# KiCad board panel_3_3.kicad_pcb (continued)
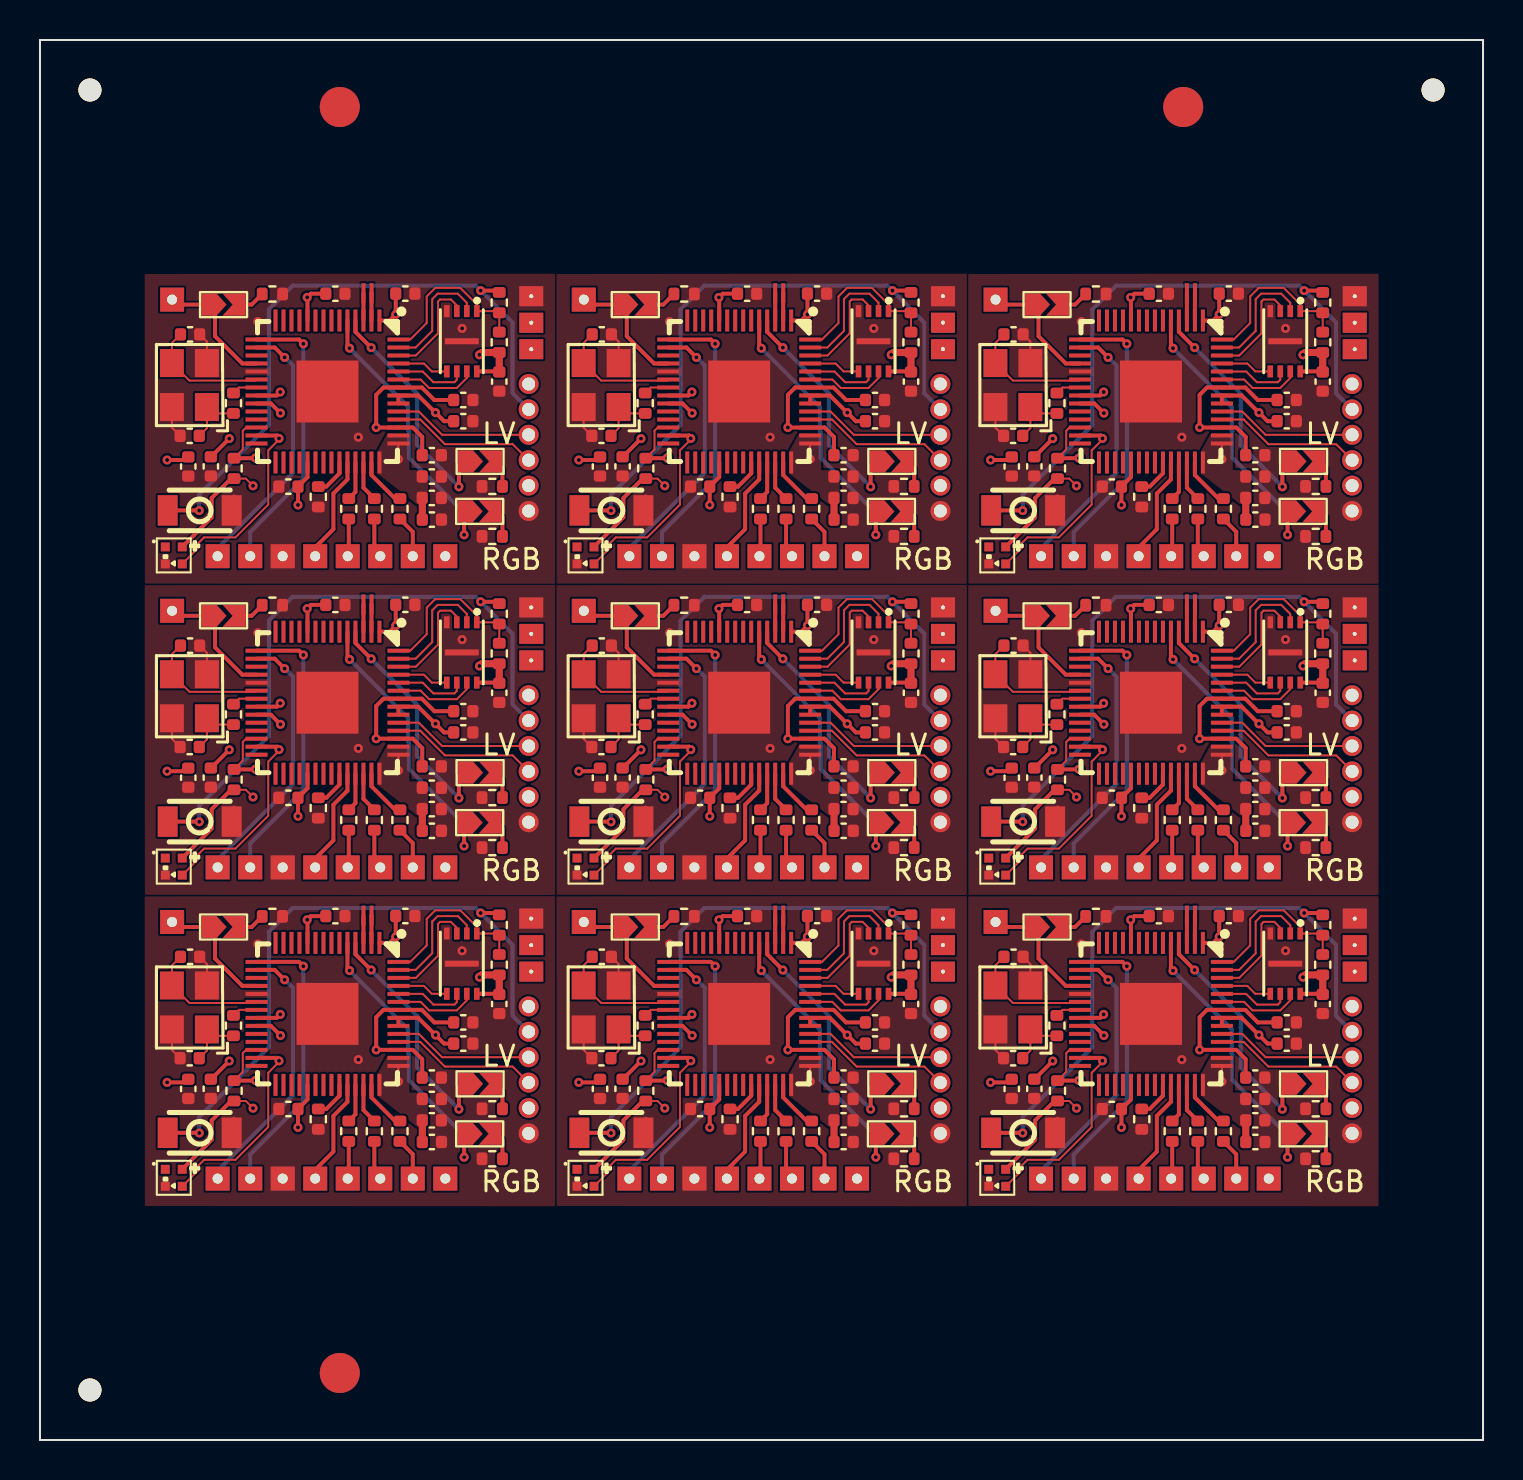
[diagram p0: board, top side]
## Routing (per net, layer and track width the routed paths; a pad name or vN(x,y) marks a point on that pad's centre or on a via; arc(x,y) is an arc through that point) (continued)
Board_3-QSPI_SD3: length 4.1
  Top w0.1: U2#9.7 21.35,37.54 20.86,37.04 19.47,37.04 19.04,37.47 U1#8.51
Board_3-RST: length 18.6
  Top w0.1: 10.83,35.06 10.31,35.06 10.15,34.9 10.15,33.97 R2#3.2
  Top w0.2: v1(10.78,33.54) 10.77,33.53 R2#3.2
  In1.Cu w0.2: v1(10.78,33.54) 17.02,33.54 17.88,34.4 21.69,34.4 24.45,37.16 J8#7.1
Board_3-SW_CPU_LOWV: length 11.8
  Top w0.2: U1#8.4 15.78,39.84 v1(16.57,39.06) ; JP2#8.1 20.96,33.16 v1(20.96,32.1)
  Bottom w0.2: v1(20.96,32.1) 18.87,34.19 18.87,36.76 v1(16.57,39.06)
Board_3-SW_I2C_LEDS: length 14.3
  Top w0.2: JP3#5.1 21.22,30.8 v1(21.22,29.7) ; v1(15.49,39.03) 15.38,39.13 U1#8.5
  Bottom w0.2: v1(15.49,39.03) 18.42,36.1 18.42,34.9 18.46,34.86 18.46,33.55 21.22,30.79 v1(21.22,29.7)
Board_3-XIN: length 6.2
  Top w0.1: C3.1 6.6,39.29 X1#8.3 7.48,37.41 10.78,37.41 U1#8.20
Board_3-XOUT: length 1.3
  Top w0.1: R1#2.2 9.95,37.06 10.83,37.06
Board_4-+1V1: length 20.2
  Top w0.2: 31.44,36.27 32.15,36.27 v1(32.63,35.78) ; C5#9.1 39.72,34.59 39.25,35.06 v1(37.42,35.06) 37.42,36.7 37.78,37.06 39.71,37.06 40.33,36.44 C2#7.1 ; C4#6.1 29.16,33.6 v1(30.07,34.51)
  In1.Cu w0.2: v1(30.07,34.51) 31.34,35.78 v1(32.63,35.78)
  In2.Cu w0.358: v1(32.63,35.78) 32.63,35.78 36.7,35.78 v1(37.42,35.06)
Board_4-+3V3: length 23.3
  Top w0.1: R2#7.1 30.9,32.51 v1(31.26,32.15) ; v1(38.53,33.48) U1.43
  Top w0.2: U5#9.2 27.72,29.1 29.19,30.57 29.19,31.54 30.16,32.51 R2#7.1 ; v1(26.96,33.44) 27.86,33.44 C13#8.1 ; U1.33 33.98,32.59 C7#9.1 v1(33.51,31.19) ; C10#7.1 40.82,35.38 v1(40.39,35.81) 40.38,35.81 39.53,36.66 U1.49 U1.48 ; C12#6.1 34.16,41.76 v1(33.97,41.57) 33.98,41.55 U1.10 ; v1(32.62,36.84) 32.44,36.66 31.44,36.66 ; 43.63,37.87 U2#7.8 ; C11#5.1 v1(38.4,40.72) 38.09,40.41 U1.1
  Top w0.358: C8#6.1 39.73,31.54 C9.1 ; C14#6.1 R6#4.1 42.7,38.81 v1(42.59,38.7)
Board_4-BOARD_DET: length 1.9
  Top w0.2: R3#2.1 34.92,32.11 35.59,32.77 U1.37
Board_4-BOOT: length 32.2
  Top w0.2: SW1.1 28.56,30.92 v1(28.57,30.91) ; R5#9.1 43.49,41.91 v1(42.65,41.91)
  Bottom w0.2: v1(28.57,30.91) 28.57,31.71 32.05,35.19 32.05,40.97 33.24,42.16 42.4,42.16 v1(42.65,41.91) 44.24,40.32 44.24,36.78 J8#8.2
Board_4-D+: length 7
  Top w0.1: J8#8.3 40.72,34.7 39.56,35.87 U1.47
Board_4-D-: length 7.4
  Top w0.1: J8#8.4 44.25,34.23 40.86,34.23 39.62,35.47 U1.46
Board_4-FLY_IO0: length 1.4
  Top w0.2: U1.2 37.19,41.77 J14#7.1
Board_4-FLY_IO1: length 1.4
  Top w0.2: U1.3 J15#9.1
Board_4-GND: length 3.2
  Top w0.1: C3#3.2 28.95,39.36 X1#4.2 ; C1.1 27.2,35.06 27.2,36.09
  Top w0.2: 30.31,31.62 30.31,31.62
  vias: v1(31.5,40.36) v1(36.53,34.58) v1(41.72,40.02)
Board_4-LED_DATA: length 25.5
  Top w0.1: 27.72,28.24 28.53,29.05 28.53,29.29 28.81,29.57 30.38,29.57 32.02,31.21 32.02,33.92 32.57,34.47 32.57,34.51 v1(32.56,34.52)
  Top w0.2: v1(32.56,34.52) 32.57,34.53 32.57,34.57 32.47,34.66 31.44,34.66
  In1.Cu w0.2: v1(32.56,34.52) 36.44,38.4 37.42,38.4 38.42,39.4 43.66,39.4 44.56,40.3 J13.1
Board_4-Net-(JP1-B): length 1.6
  Top w0.2: R12#6.1 31.19,41.21 JP1#9.2
Board_4-Net-(JP2-B): length 1.5
  Top w0.2: JP2#5.2 43.35,33.37 43.74,32.98 R4#5.1
Board_4-Net-(JP3-B): length 1.6
  Top w0.2: JP3.2 43.44,30.87 43.74,30.57 R7#6.1
Board_4-Net-(U1-GPIO27_ADC1): length 1.9
  Top w0.2: R9#2.1 36.38,31.84 U1.39
Board_4-Net-(U1-GPIO28_ADC2): length 2
  Top w0.2: R10#6.1 36.78,32.05 U1.40
Board_4-Net-(U1-GPIO29_ADC3): length 2.5
  Top w0.2: U1.41 37.19,32.69 38.36,31.51 R11#4.1
Board_4-Net-(X1-OSC1): length 3.1
  Top w0.1: C1.2 28.95,35.03 28.95,36.09 29.27,35.77 R1#9.1
Board_4-NS_CLK: length 1.9
  Top w0.2: R9#2.2 36.05,28.68 J3.1
Board_4-NS_CMD: length 2
  Top w0.2: J4#7.1 37.33,28.92 R10#6.2
Board_4-NS_CPU: length 6.5
  Top w0.2: J1#2.1 27.46,41.21 JP1#9.1 29.36,41.21 29.36,39.63 30.72,38.27 31.44,38.27
Board_4-NS_D0: length 2.1
  Top w0.2: R11#4.2 39.25,29.85 J5#8.1
Board_4-NS_RST: length 5.4
  Top w0.2: J2#6.1 34.37,29.07 35.28,29.98 35.28,31.77 35.98,32.47 U1.38
Board_4-NS_SCL: length 13.3
  Top w0.2: 31.44,39.06 32.34,39.06 v1(32.84,38.57)
  Bottom w0.2: v1(32.84,38.57) 32.86,38.57 33.26,38.17 33.26,32.8 29.49,29.03 J7#2.1
Board_4-NS_SDA: length 14.2
  Top w0.2: 31.44,39.47 33.56,39.47 v1(33.78,39.25)
  Bottom w0.2: v1(33.78,39.25) 33.78,32.49 31.12,29.83 J6#2.1
Board_4-QSPI_CS: length 8.6
  Top w0.1: U1.56 39.12,39.47 39.95,40.29 39.95,41.62 40.38,42.05 41.63,42.05 42.45,41.22 U2#7.1 43.5,40.88 R5#9.2 R6#4.2
Board_4-QSPI_SCK: length 3.6
  Top w0.1: U1.52 39.75,37.87 40.28,37.33 41.34,37.33 41.45,37.45 U2#7.6
Board_4-QSPI_SD0: length 2.6
  Top w0.1: U2#7.5 40.2,37.87 39.81,38.27 U1.53
Board_4-QSPI_SD1: length 6.1
  Top w0.1: U2#7.2 41.95,41.3 41.5,41.76 40.5,41.76 40.22,41.48 40.22,39.9 39.39,39.06 38.53,39.06
Board_4-QSPI_SD2: length 5.4
  Top w0.1: U2#7.3 41.45,41.17 41.16,41.47 40.62,41.47 40.51,41.36 40.51,39.77 39.41,38.66 U1.54
Board_4-QSPI_SD3: length 4.1
  Top w0.1: U1.51 39.64,37.47 40.07,37.04 41.46,37.04 41.95,37.54 U2#7.7
Board_4-RST: length 18.6
  Top w0.1: 31.44,35.06 30.91,35.06 30.75,34.9 30.75,33.97 R2#7.2
  Top w0.2: R2#7.2 31.37,33.53 v1(31.38,33.54)
  In1.Cu w0.2: J8#8.1 45.05,37.16 42.29,34.4 38.48,34.4 37.62,33.54 v1(31.38,33.54)
Board_4-SW_CPU_LOWV: length 11.8
  Top w0.2: v1(37.17,39.06) 36.38,39.84 U1.4 ; v1(41.56,32.1) 41.56,33.16 JP2#5.1
  Bottom w0.2: v1(37.17,39.06) 39.47,36.76 39.47,34.19 v1(41.56,32.1)
Board_4-SW_I2C_LEDS: length 14.3
  Top w0.2: JP3.1 41.82,30.8 v1(41.82,29.7) ; v1(36.09,39.03) 35.98,39.13 U1.5
  Bottom w0.2: v1(41.82,29.7) 41.82,30.79 39.06,33.55 39.06,34.86 39.02,34.9 39.02,36.1 v1(36.09,39.03)
Board_4-XIN: length 6.2
  Top w0.1: C3#3.1 27.2,39.29 X1#4.3 28.08,37.41 31.38,37.41 31.44,37.47
Board_4-XOUT: length 1.3
  Top w0.1: 31.44,37.06 30.56,37.06 R1#9.2
Board_5-+1V1: length 20.2
  Top w0.2: C4.1 49.76,33.6 v1(50.67,34.51) ; C2#2.1 60.93,36.44 60.31,37.06 58.38,37.06 58.02,36.7 v1(58.02,35.06) 59.85,35.06 60.32,34.59 60.32,33.68 ; U1#3.23 52.75,36.27 v1(53.23,35.78)
  In1.Cu w0.2: v1(50.67,34.51) 51.94,35.78 v1(53.23,35.78)
  In2.Cu w0.358: v1(53.23,35.78) 53.23,35.78 57.31,35.78 v1(58.02,35.06)
Board_5-+3V3: length 23.3
  Top w0.1: R2#9.1 51.5,32.51 v1(51.86,32.15) ; v1(59.13,33.48) U1#3.43
  Top w0.2: C13#7.1 48.47,33.44 v1(47.56,33.44) ; C10#9.1 61.42,35.38 v1(60.99,35.81) 60.98,35.81 60.12,36.66 U1#3.49 U1#3.48 ; v1(54.11,31.19) C7#5.1 54.59,32.59 U1#3.33 ; U1#3.10 54.59,41.55 v1(54.57,41.57) 54.75,41.76 C12#9.1 ; R2#9.1 50.76,32.51 49.79,31.54 49.79,30.57 48.32,29.1 U5#7.2 ; C11#6.1 v1(59,40.72) 58.69,40.41 U1#3.1 ; U1#3.22 53.04,36.66 v1(53.22,36.84) ; 64.23,37.87 U2#3.8
  Top w0.358: C8#9.1 60.33,31.54 60.32,31.55 ; v1(63.19,38.7) 63.31,38.81 R6#5.1 C14#2.1
Board_5-BOARD_DET: length 1.9
  Top w0.2: U1#3.37 56.19,32.77 55.53,32.11 R3#5.1
Board_5-BOOT: length 32.2
  Top w0.2: SW1#2.1 49.16,30.92 v1(49.17,30.91) ; v1(63.25,41.91) 64.09,41.91 R5#6.1
  Bottom w0.2: v1(49.17,30.91) 49.17,31.71 52.65,35.19 52.65,40.97 53.84,42.16 63,42.16 v1(63.25,41.91) 64.84,40.32 64.84,36.78 J8#3.2
Board_5-D+: length 7
  Top w0.1: U1#3.47 60.16,35.87 61.32,34.7 J8#3.3
Board_5-D-: length 7.4
  Top w0.1: J8#3.4 64.85,34.23 61.46,34.23 60.22,35.47 U1#3.46
Board_5-FLY_IO0: length 1.4
  Top w0.2: U1#3.2 57.78,41.77 J14#6.1
Board_5-FLY_IO1: length 1.4
  Top w0.2: 57.38,40.41 J15.1
Board_5-GND: length 3.2
  Top w0.1: X1#3.2 49.55,39.36 C3#6.2 ; C1#8.1 47.8,35.06 47.8,36.09
  Top w0.2: 50.91,31.62 50.91,31.62
  vias: v1(52.1,40.36) v1(57.13,34.58) v1(62.32,40.02)
Board_5-LED_DATA: length 25.5
  Top w0.1: 48.32,28.24 49.13,29.05 49.13,29.29 49.41,29.57 50.98,29.57 52.62,31.21 52.62,33.92 53.17,34.47 53.17,34.51 v1(53.16,34.52)
  Top w0.2: U1#3.27 53.07,34.66 53.17,34.57 53.17,34.53 v1(53.16,34.52)
  In1.Cu w0.2: J13#5.1 65.16,40.3 64.26,39.4 59.03,39.4 58.02,38.4 57.03,38.4 v1(53.16,34.52)
Board_5-Net-(JP1-B): length 1.6
  Top w0.2: R12#8.1 51.79,41.21 JP1#7.2
Board_5-Net-(JP2-B): length 1.5
  Top w0.2: R4#6.1 64.34,32.98 63.95,33.37 JP2#2.2
Board_5-Net-(JP3-B): length 1.6
  Top w0.2: JP3#9.2 64.04,30.87 64.34,30.57 R7#9.1
Board_5-Net-(U1-GPIO27_ADC1): length 1.9
  Top w0.2: R9#8.1 56.98,31.84 56.98,33.31
Board_5-Net-(U1-GPIO28_ADC2): length 2
  Top w0.2: 57.38,33.31 57.38,32.05 R10#8.1
Board_5-Net-(U1-GPIO29_ADC3): length 2.5
  Top w0.2: R11#5.1 58.96,31.51 57.78,32.69 U1#3.41
Board_5-Net-(X1-OSC1): length 3.1
  Top w0.1: R1#4.1 49.87,35.77 49.55,36.09 49.55,35.03 C1#8.2
Board_5-NS_CLK: length 1.9
  Top w0.2: R9#8.2 56.65,28.68 J3#6.1
Board_5-NS_CMD: length 2
  Top w0.2: R10#8.2 57.93,28.92 J4#8.1
Board_5-NS_CPU: length 6.5
  Top w0.2: U1#3.18 51.32,38.27 49.96,39.63 49.96,41.21 JP1#7.1 48.06,41.21 J1#7.1
Board_5-NS_D0: length 2.1
  Top w0.2: J5#5.1 59.85,29.85 R11#5.2
Board_5-NS_RST: length 5.4
  Top w0.2: U1#3.38 56.59,32.47 55.88,31.77 55.88,29.98 54.97,29.07 J2#8.1
Board_5-NS_SCL: length 13.3
  Top w0.2: 52.03,39.06 52.94,39.06 v1(53.44,38.57)
  Bottom w0.2: J7#9.1 50.09,29.03 53.86,32.8 53.86,38.17 53.46,38.57 v1(53.44,38.57)
Board_5-NS_SDA: length 14.2
  Top w0.2: U1#3.15 54.16,39.47 v1(54.38,39.25)
  Bottom w0.2: v1(54.38,39.25) 54.38,32.49 51.72,29.83 J6#9.1
Board_5-QSPI_CS: length 8.6
  Top w0.1: R6#5.2 R5#6.2 64.1,40.88 U2#3.1 63.06,41.22 62.23,42.05 60.97,42.05 60.55,41.62 60.55,40.29 59.72,39.47 U1#3.56
Board_5-QSPI_SCK: length 3.6
  Top w0.1: U2#3.6 62.06,37.45 61.94,37.33 60.88,37.33 60.35,37.87 U1#3.52
Board_5-QSPI_SD0: length 2.6
  Top w0.1: U1#3.53 60.41,38.27 60.8,37.87 U2#3.5
Board_5-QSPI_SD1: length 6.1
  Top w0.1: U2#3.2 62.56,41.3 62.1,41.76 61.1,41.76 60.82,41.48 60.82,39.9 59.99,39.06 59.13,39.06
Board_5-QSPI_SD2: length 5.4
  Top w0.1: U2#3.3 62.06,41.17 61.76,41.47 61.22,41.47 61.11,41.36 61.11,39.77 60,38.66 U1#3.54
Board_5-QSPI_SD3: length 4.1
  Top w0.1: U1#3.51 60.25,37.47 60.67,37.04 62.06,37.04 62.56,37.54 U2#3.7
Board_5-RST: length 18.6
  Top w0.1: R2#9.2 51.35,33.97 51.35,34.9 51.51,35.06 52.03,35.06
  Top w0.2: R2#9.2 51.97,33.53 v1(51.98,33.54)
  In1.Cu w0.2: v1(51.98,33.54) 58.22,33.54 59.08,34.4 62.89,34.4 65.65,37.16 J8#3.1
Board_5-SW_CPU_LOWV: length 11.8
  Top w0.2: 56.98,40.41 56.98,39.84 v1(57.77,39.06) ; v1(62.16,32.1) 62.16,33.16 JP2#2.1
  Bottom w0.2: v1(57.77,39.06) 60.07,36.76 60.07,34.19 v1(62.16,32.1)
Board_5-SW_I2C_LEDS: length 14.3
  Top w0.2: JP3#9.1 62.42,30.8 v1(62.42,29.7) ; U1#3.5 56.59,39.13 v1(56.69,39.03)
  Bottom w0.2: v1(56.69,39.03) 59.62,36.1 59.62,34.9 59.66,34.86 59.66,33.55 62.42,30.79 v1(62.42,29.7)
Board_5-XIN: length 6.2
  Top w0.1: C3#6.1 47.8,39.29 X1#3.3 48.68,37.41 51.98,37.41 U1#3.20
Board_5-XOUT: length 1.3
  Top w0.1: 52.03,37.06 51.16,37.06 R1#4.2
Board_6-+1V1: length 20.2
  Top w0.2: v1(9.47,18.95) 8.56,18.04 C4#9.1 ; 10.83,20.7 11.55,20.7 v1(12.03,20.22) ; C2#8.1 19.73,20.88 19.11,21.5 17.19,21.5 16.82,21.14 v1(16.82,19.5) 18.66,19.5 19.12,19.03 C5#8.1
  In1.Cu w0.2: v1(9.47,18.95) 10.74,20.22 v1(12.03,20.22)
  In2.Cu w0.358: v1(12.03,20.22) 12.03,20.22 16.1,20.22 v1(16.82,19.5)
Board_6-+3V3: length 23.3
  Top w0.1: v1(17.94,17.92) 17.94,18.7 ; v1(10.66,16.59) 10.3,16.95 R2#4.1
  Top w0.2: U5#2.2 7.12,13.54 8.59,15.01 8.59,15.98 9.56,16.95 R2#4.1 ; v1(12.02,21.28) 11.84,21.11 U1#9.22 ; 23.03,22.31 U2#8.8 ; C13#5.1 7.27,17.88 v1(6.36,17.88) ; U1#9.1 17.5,24.86 v1(17.8,25.16) C11#4.1 ; v1(12.91,15.63) C7#4.1 13.38,17.03 U1#9.33 ; U1#9.10 13.38,26 v1(13.37,26.01) 13.55,26.2 C12#4.1 ; 17.94,20.7 U1#9.49 18.92,21.11 19.78,20.25 v1(19.79,20.25) 20.22,19.82 C10#6.1
  Top w0.358: C14#9.1 R6#2.1 22.1,23.25 v1(21.99,23.14) ; C9#3.1 19.13,15.98 C8.1
Board_6-BOARD_DET: length 1.9
  Top w0.2: U1#9.37 14.98,17.21 14.32,16.55 R3.1
Board_6-BOOT: length 32.2
  Top w0.2: v1(22.05,26.35) 22.89,26.35 R5#2.1 ; v1(7.97,15.35) 7.96,15.36 SW1#3.1
  Bottom w0.2: J8.2 23.64,21.22 23.64,24.76 v1(22.05,26.35) 21.8,26.6 12.64,26.6 11.45,25.41 11.45,19.63 7.97,16.15 v1(7.97,15.35)
Board_6-D+: length 7
  Top w0.1: J8.3 20.12,19.14 18.95,20.31 U1#9.47
Board_6-D-: length 7.4
  Top w0.1: J8.4 23.65,18.67 20.26,18.67 19.03,19.91 U1#9.46
Board_6-FLY_IO0: length 1.4
  Top w0.2: 16.59,24.86 16.59,26.22 J14#8.1
Board_6-FLY_IO1: length 1.4
  Top w0.2: U1#9.3 J15#4.1
Board_6-GND: length 3.2
  Top w0.1: C3#4.2 8.35,23.8 8.35,22.73 ; X1#2.4 6.6,19.5 C1#2.1
  Top w0.2: 9.71,16.06 9.7,16.06
  vias: v1(10.9,24.8) v1(15.93,19.02) v1(21.12,24.46)
Board_6-LED_DATA: length 25.5
  Top w0.1: U5#2.4 7.93,13.5 7.93,13.73 8.21,14.01 9.78,14.01 11.42,15.65 11.42,18.36 11.97,18.91 11.97,18.95 v1(11.96,18.96)
  Top w0.2: U1#9.27 11.88,19.11 11.97,19.01 11.97,18.97 v1(11.96,18.96)
  In1.Cu w0.2: v1(11.96,18.96) 15.84,22.83 16.82,22.83 17.82,23.84 23.06,23.84 23.97,24.75 J13#3.1
Board_6-Net-(JP1-B): length 1.6
  Top w0.2: JP1#3.2 10.59,25.65 R12#9.1
Board_6-Net-(JP2-B): length 1.5
  Top w0.2: JP2#9.2 22.75,17.81 23.14,17.42 R4#7.1
Board_6-Net-(JP3-B): length 1.6
  Top w0.2: R7#8.1 23.14,15.01 22.84,15.31 JP3#4.2
Board_6-Net-(U1-GPIO27_ADC1): length 1.9
  Top w0.2: R9#7.1 15.78,16.28 U1#9.39
Board_6-Net-(U1-GPIO28_ADC2): length 2
  Top w0.2: R10#4.1 16.19,16.5 U1#9.40
Board_6-Net-(U1-GPIO29_ADC3): length 2.5
  Top w0.2: R11.1 17.76,15.95 16.59,17.13 16.59,17.75
Board_6-Net-(X1-OSC1): length 3.1
  Top w0.1: R1#8.1 8.67,20.21 X1#2.1 8.35,19.47 C1#2.2
Board_6-NS_CLK: length 1.9
  Top w0.2: J3#4.1 15.45,13.12 R9#7.2
Board_6-NS_CMD: length 2
  Top w0.2: R10#4.2 16.73,13.36 J4.1
Board_6-NS_CPU: length 6.5
  Top w0.2: J1#8.1 6.86,25.65 JP1#3.1 8.76,25.65 8.76,24.07 10.12,22.7 10.83,22.7
Board_6-NS_D0: length 2.1
  Top w0.2: J5#9.1 18.65,14.29 R11.2
Board_6-NS_RST: length 5.4
  Top w0.2: J2#9.1 13.77,13.51 14.68,14.42 14.68,16.2 15.38,16.91 U1#9.38
Board_6-NS_SCL: length 13.3
  Top w0.2: v1(12.24,23.01) 11.74,23.5 10.83,23.5
  Bottom w0.2: J7#5.1 8.89,13.47 12.66,17.24 12.66,22.61 12.26,23.01 v1(12.24,23.01)
Board_6-NS_SDA: length 14.2
  Top w0.2: U1#9.15 12.96,23.91 v1(13.18,23.69)
  Bottom w0.2: v1(13.18,23.69) 13.18,16.93 10.52,14.27 J6#8.1
Board_6-QSPI_CS: length 8.6
  Top w0.1: R6#2.2 R5#2.2 22.9,25.32 U2#8.1 21.85,25.66 21.03,26.48 19.78,26.48 19.35,26.06 19.35,24.73 18.53,23.91 U1#9.56
Board_6-QSPI_SCK: length 3.6
  Top w0.1: U1#9.52 19.15,22.31 19.68,21.77 20.73,21.77 20.85,21.89 U2#8.6
Board_6-QSPI_SD0: length 2.6
  Top w0.1: U2#8.5 19.6,22.31 19.21,22.7 17.94,22.7
Board_6-QSPI_SD1: length 6.1
  Top w0.1: U2#8.2 21.35,25.74 20.9,26.2 19.9,26.2 19.62,25.92 19.62,24.34 18.79,23.5 17.94,23.5
Board_6-QSPI_SD2: length 5.4
  Top w0.1: U1#9.54 18.81,23.11 19.91,24.22 19.91,25.8 20.02,25.91 20.56,25.91 20.85,25.61 U2#8.3
Board_6-QSPI_SD3: length 4.1
  Top w0.1: U2#8.7 21.35,21.98 20.86,21.48 19.47,21.48 19.04,21.91 U1#9.51
Board_6-RST: length 18.6
  Top w0.1: 10.83,19.5 10.31,19.5 10.15,19.34 10.15,18.41 R2#4.2
  Top w0.2: R2#4.2 10.77,17.97 v1(10.78,17.98)
  In1.Cu w0.2: J8.1 24.45,21.6 21.69,18.84 17.88,18.84 17.02,17.98 v1(10.78,17.98)
Board_6-SW_CPU_LOWV: length 11.8
  Top w0.2: JP2#9.1 20.96,17.6 v1(20.96,16.54) ; U1#9.4 15.78,24.28 v1(16.57,23.5)
  Bottom w0.2: v1(16.57,23.5) 18.87,21.2 18.87,18.63 v1(20.96,16.54)
Board_6-SW_I2C_LEDS: length 14.3
  Top w0.2: JP3#4.1 21.22,15.24 v1(21.22,14.14) ; v1(15.49,23.47) 15.38,23.58 U1#9.5
  Bottom w0.2: v1(15.49,23.47) 18.42,20.54 18.42,19.34 18.46,19.3 18.46,17.99 21.22,15.23 v1(21.22,14.14)
Board_6-XIN: length 6.2
  Top w0.1: C3#4.1 6.6,23.73 6.6,22.73 7.48,21.85 10.78,21.85 U1#9.20
Board_6-XOUT: length 1.3
  Top w0.1: R1#8.2 9.95,21.5 10.83,21.5
Board_7-+1V1: length 20.2
  Top w0.2: v1(30.07,18.95) 29.16,18.04 C4#8.1 ; 31.44,20.7 32.15,20.7 v1(32.63,20.22) ; C5#3.1 39.72,19.03 39.25,19.5 v1(37.42,19.5) 37.42,21.14 37.78,21.5 39.71,21.5 40.33,20.88 C2#9.1
  In1.Cu w0.2: v1(30.07,18.95) 31.34,20.22 v1(32.63,20.22)
  In2.Cu w0.358: v1(32.63,20.22) 32.63,20.22 36.7,20.22 v1(37.42,19.5)
Board_7-+3V3: length 23.3
  Top w0.1: R2#6.1 30.9,16.95 v1(31.26,16.59) ; v1(38.53,17.92) 38.53,18.7
  Top w0.2: 43.63,22.31 U2#5.8 ; v1(33.51,15.63) C7#6.1 33.98,17.03 U1#4.33 ; 38.53,20.7 U1#4.49 39.53,21.11 40.38,20.25 v1(40.39,20.25) 40.82,19.82 C10#5.1 ; C13.1 27.86,17.88 v1(26.96,17.88) ; U1#4.1 38.09,24.86 v1(38.4,25.16) C11#8.1 ; 31.44,21.11 32.44,21.11 v1(32.62,21.28) ; U1#4.10 33.98,26 v1(33.97,26.01) 34.16,26.2 C12#3.1 ; U5.2 27.72,13.54 29.19,15.01 29.19,15.98 30.16,16.95 R2#6.1
  Top w0.358: C8#7.1 39.73,15.98 C9#5.1 ; C14.1 R6#8.1 42.7,23.25 v1(42.59,23.14)
Board_7-BOARD_DET: length 1.9
  Top w0.2: R3#7.1 34.92,16.55 35.59,17.21 U1#4.37
Board_7-BOOT: length 32.2
  Top w0.2: SW1#8.1 28.56,15.36 v1(28.57,15.35) ; R5.1 43.49,26.35 v1(42.65,26.35)
  Bottom w0.2: v1(28.57,15.35) 28.57,16.15 32.05,19.63 32.05,25.41 33.24,26.6 42.4,26.6 v1(42.65,26.35) 44.24,24.76 44.24,21.22 J8#6.2
Board_7-D+: length 7
  Top w0.1: U1#4.47 39.56,20.31 40.72,19.14 J8#6.3
Board_7-D-: length 7.4
  Top w0.1: U1#4.46 39.62,19.91 40.86,18.67 44.25,18.67 J8#6.4
Board_7-FLY_IO0: length 1.4
  Top w0.2: U1#4.2 37.19,26.22 J14#4.1
Board_7-FLY_IO1: length 1.4
  Top w0.2: U1#4.3 J15#6.1
Board_7-GND: length 3.2
  Top w0.1: C1#6.1 27.2,19.5 X1.4 ; C3#8.2 28.95,23.8 28.95,22.73
  Top w0.2: 30.31,16.06 30.31,16.06
  vias: v1(31.5,24.8) v1(36.53,19.02) v1(41.72,24.46)
Board_7-LED_DATA: length 25.5
  Top w0.1: U5.4 28.53,13.5 28.53,13.73 28.81,14.01 30.38,14.01 32.02,15.65 32.02,18.36 32.57,18.91 32.57,18.95 v1(32.56,18.96)
  Top w0.2: 31.44,19.11 32.47,19.11 32.57,19.01 32.57,18.97 v1(32.56,18.96)
  In1.Cu w0.2: v1(32.56,18.96) 36.44,22.83 37.42,22.83 38.42,23.84 43.66,23.84 44.56,24.75 J13#2.1
Board_7-Net-(JP1-B): length 1.6
  Top w0.2: JP1.2 31.19,25.65 R12#2.1
Board_7-Net-(JP2-B): length 1.5
  Top w0.2: R4#3.1 43.74,17.42 43.35,17.81 JP2.2
Board_7-Net-(JP3-B): length 1.6
  Top w0.2: JP3#6.2 43.44,15.31 43.74,15.01 R7#2.1
Board_7-Net-(U1-GPIO27_ADC1): length 1.9
  Top w0.2: U1#4.39 36.38,16.28 R9#6.1
Board_7-Net-(U1-GPIO28_ADC2): length 2
  Top w0.2: U1#4.40 36.78,16.5 R10.1
Board_7-Net-(U1-GPIO29_ADC3): length 2.5
  Top w0.2: R11#8.1 38.36,15.95 37.19,17.13 U1#4.41
Board_7-Net-(X1-OSC1): length 3.1
  Top w0.1: R1#7.1 29.27,20.21 X1.1 28.95,19.47 C1#6.2
Board_7-NS_CLK: length 1.9
  Top w0.2: J3#3.1 36.05,13.12 R9#6.2
Board_7-NS_CMD: length 2
  Top w0.2: J4#6.1 37.33,13.36 R10.2
Board_7-NS_CPU: length 6.5
  Top w0.2: 31.44,22.7 30.72,22.7 29.36,24.07 29.36,25.65 JP1.1 27.46,25.65 J1#3.1
Board_7-NS_D0: length 2.1
  Top w0.2: R11#8.2 39.25,14.29 J5#2.1
Board_7-NS_RST: length 5.4
  Top w0.2: U1#4.38 35.98,16.91 35.28,16.2 35.28,14.42 34.37,13.51 J2#2.1
Board_7-NS_SCL: length 13.3
  Top w0.2: v1(32.84,23.01) 32.34,23.5 31.44,23.5
  Bottom w0.2: J7.1 29.49,13.47 33.26,17.24 33.26,22.61 32.86,23.01 v1(32.84,23.01)
Board_7-NS_SDA: length 14.2
  Top w0.2: 31.44,23.91 33.56,23.91 v1(33.78,23.69)
  Bottom w0.2: J6#4.1 31.12,14.27 33.78,16.93 v1(33.78,23.69)
Board_7-QSPI_CS: length 8.6
  Top w0.1: R6#8.2 R5.2 43.5,25.32 U2#5.1 42.45,25.66 41.63,26.48 40.38,26.48 39.95,26.06 39.95,24.73 39.12,23.91 U1#4.56
Board_7-QSPI_SCK: length 3.6
  Top w0.1: U2#5.6 41.45,21.89 41.34,21.77 40.28,21.77 39.75,22.31 U1#4.52
Board_7-QSPI_SD0: length 2.6
  Top w0.1: 38.53,22.7 39.81,22.7 40.2,22.31 U2#5.5
Board_7-QSPI_SD1: length 6.1
  Top w0.1: 38.53,23.5 39.39,23.5 40.22,24.34 40.22,25.92 40.5,26.2 41.5,26.2 41.95,25.74 U2#5.2
Board_7-QSPI_SD2: length 5.4
  Top w0.1: U2#5.3 41.45,25.61 41.16,25.91 40.62,25.91 40.51,25.8 40.51,24.22 39.41,23.11 U1#4.54
Board_7-QSPI_SD3: length 4.1
  Top w0.1: U1#4.51 39.64,21.91 40.07,21.48 41.46,21.48 41.95,21.98 U2#5.7
Board_7-RST: length 18.6
  Top w0.1: 31.44,19.5 30.91,19.5 30.75,19.34 30.75,18.41 R2#6.2
  Top w0.2: v1(31.38,17.98) 31.37,17.97 R2#6.2
  In1.Cu w0.2: J8#6.1 45.05,21.6 42.29,18.84 38.48,18.84 37.62,17.98 v1(31.38,17.98)
Board_7-SW_CPU_LOWV: length 11.8
  Top w0.2: v1(41.56,16.54) 41.56,17.6 JP2.1 ; U1#4.4 36.38,24.28 v1(37.17,23.5)
  Bottom w0.2: v1(41.56,16.54) 39.47,18.63 39.47,21.2 v1(37.17,23.5)
Board_7-SW_I2C_LEDS: length 14.3
  Top w0.2: v1(41.82,14.14) 41.82,15.24 JP3#6.1 ; U1#4.5 35.98,23.58 v1(36.09,23.47)
  Bottom w0.2: v1(36.09,23.47) 39.02,20.54 39.02,19.34 39.06,19.3 39.06,17.99 41.82,15.23 v1(41.82,14.14)
Board_7-XIN: length 6.2
  Top w0.1: C3#8.1 27.2,23.73 27.2,22.73 28.08,21.85 31.38,21.85 31.44,21.91
Board_7-XOUT: length 1.3
  Top w0.1: R1#7.2 30.56,21.5 31.44,21.5
Board_8-+1V1: length 20.2
  Top w0.2: C2#3.1 60.93,20.88 60.31,21.5 58.38,21.5 58.02,21.14 v1(58.02,19.5) 59.85,19.5 60.32,19.03 60.32,18.12 ; 52.03,20.7 52.75,20.7 v1(53.23,20.22) ; v1(50.67,18.95) 49.76,18.04 C4#4.1
  In1.Cu w0.2: v1(50.67,18.95) 51.94,20.22 v1(53.23,20.22)
  In2.Cu w0.358: v1(53.23,20.22) 53.23,20.22 57.31,20.22 v1(58.02,19.5)
Board_8-+3V3: length 23.3
  Top w0.1: v1(59.13,17.92) 59.13,18.7 ; R2#2.1 51.5,16.95 v1(51.86,16.59)
  Top w0.2: 59.13,20.7 U1#6.49 60.12,21.11 60.98,20.25 v1(60.99,20.25) 61.42,19.82 C10.1 ; U1#6.33 54.59,17.03 C7.1 v1(54.11,15.63) ; U5#6.2 48.32,13.54 49.79,15.01 49.79,15.98 50.76,16.95 R2#2.1 ; U1#6.10 54.59,26 v1(54.57,26.01) 54.75,26.2 C12#5.1 ; v1(53.22,21.28) 53.04,21.11 U1#6.22 ; C11#7.1 v1(59,25.16) 58.69,24.86 U1#6.1 ; 64.23,22.31 U2#2.8 ; C13#9.1 48.47,17.88 v1(47.56,17.88)
  Top w0.358: 60.32,15.98 60.33,15.98 C8#3.1 ; C14#5.1 R6.1 63.31,23.25 v1(63.19,23.14)
Board_8-BOARD_DET: length 1.9
  Top w0.2: R3#6.1 55.53,16.55 56.19,17.21 U1#6.37
Board_8-BOOT: length 32.2
  Top w0.2: v1(63.25,26.35) 64.09,26.35 R5#5.1 ; SW1#6.1 49.16,15.36 v1(49.17,15.35)
  Bottom w0.2: v1(49.17,15.35) 49.17,16.15 52.65,19.63 52.65,25.41 53.84,26.6 63,26.6 v1(63.25,26.35) 64.84,24.76 64.84,21.22 J8#5.2
Board_8-D+: length 7
  Top w0.1: U1#6.47 60.16,20.31 61.32,19.14 J8#5.3
Board_8-D-: length 7.4
  Top w0.1: U1#6.46 60.22,19.91 61.46,18.67 64.85,18.67 J8#5.4
Board_8-FLY_IO0: length 1.4
  Top w0.2: J14#5.1 57.78,26.22 U1#6.2
Board_8-FLY_IO1: length 1.4
  Top w0.2: 57.38,24.86 J15#5.1
Board_8-GND: length 3.2
  Top w0.1: 49.55,22.73 49.55,23.8 C3#9.2 ; C1#3.1 47.8,19.5 X1#5.4
  Top w0.2: 50.91,16.06 50.91,16.06
  vias: v1(52.1,24.8) v1(57.13,19.02) v1(62.32,24.46)
Board_8-LED_DATA: length 25.5
  Top w0.1: U5#6.4 49.13,13.5 49.13,13.73 49.41,14.01 50.98,14.01 52.62,15.65 52.62,18.36 53.17,18.91 53.17,18.95 v1(53.16,18.96)
  Top w0.2: v1(53.16,18.96) 53.17,18.97 53.17,19.01 53.07,19.11 U1#6.27
  In1.Cu w0.2: J13#9.1 65.16,24.75 64.26,23.84 59.03,23.84 58.02,22.83 57.03,22.83 v1(53.16,18.96)
Board_8-Net-(JP1-B): length 1.6
  Top w0.2: R12#5.1 51.79,25.65 JP1#4.2
Board_8-Net-(JP2-B): length 1.5
  Top w0.2: R4#4.1 64.34,17.42 63.95,17.81 JP2#7.2
Board_8-Net-(JP3-B): length 1.6
  Top w0.2: R7#4.1 64.34,15.01 64.04,15.31 JP3#3.2
Board_8-Net-(U1-GPIO27_ADC1): length 1.9
  Top w0.2: R9#5.1 56.98,16.28 56.98,17.75
Board_8-Net-(U1-GPIO28_ADC2): length 2
  Top w0.2: R10#9.1 57.38,16.5 57.38,17.75
Board_8-Net-(U1-GPIO29_ADC3): length 2.5
  Top w0.2: R11#9.1 58.96,15.95 57.78,17.13 U1#6.41
Board_8-Net-(X1-OSC1): length 3.1
  Top w0.1: C1#3.2 49.55,19.47 X1#5.1 49.87,20.21 R1#3.1
Board_8-NS_CLK: length 1.9
  Top w0.2: R9#5.2 56.65,13.12 J3#2.1
Board_8-NS_CMD: length 2
  Top w0.2: J4#2.1 57.93,13.36 R10#9.2
Board_8-NS_CPU: length 6.5
  Top w0.2: 52.03,22.7 51.32,22.7 49.96,24.07 49.96,25.65 JP1#4.1 48.06,25.65 J1#4.1
Board_8-NS_D0: length 2.1
  Top w0.2: R11#9.2 59.85,14.29 J5#7.1
Board_8-NS_RST: length 5.4
  Top w0.2: U1#6.38 56.59,16.91 55.88,16.2 55.88,14.42 54.97,13.51 J2.1
Board_8-NS_SCL: length 13.3
  Top w0.2: 52.03,23.5 52.94,23.5 v1(53.44,23.01)
  Bottom w0.2: J7#4.1 50.09,13.47 53.86,17.24 53.86,22.61 53.46,23.01 v1(53.44,23.01)
Board_8-NS_SDA: length 14.2
  Top w0.2: U1#6.15 54.16,23.91 v1(54.38,23.69)
  Bottom w0.2: J6#6.1 51.72,14.27 54.38,16.93 v1(54.38,23.69)
Board_8-QSPI_CS: length 8.6
  Top w0.1: U1#6.56 59.72,23.91 60.55,24.73 60.55,26.06 60.97,26.48 62.23,26.48 63.06,25.66 U2#2.1 64.1,25.32 R5#5.2 R6.2
Board_8-QSPI_SCK: length 3.6
  Top w0.1: U2#2.6 62.06,21.89 61.94,21.77 60.88,21.77 60.35,22.31 U1#6.52
Board_8-QSPI_SD0: length 2.6
  Top w0.1: 59.13,22.7 60.41,22.7 60.8,22.31 U2#2.5
Board_8-QSPI_SD1: length 6.1
  Top w0.1: 59.13,23.5 59.99,23.5 60.82,24.34 60.82,25.92 61.1,26.2 62.1,26.2 62.56,25.74 U2#2.2
Board_8-QSPI_SD2: length 5.4
  Top w0.1: U2#2.3 62.06,25.61 61.76,25.91 61.22,25.91 61.11,25.8 61.11,24.22 60,23.11 U1#6.54
Board_8-QSPI_SD3: length 4.1
  Top w0.1: U2#2.7 62.56,21.98 62.06,21.48 60.67,21.48 60.25,21.91 U1#6.51
Board_8-RST: length 18.6
  Top w0.1: 52.03,19.5 51.51,19.5 51.35,19.34 51.35,18.41 R2#2.2
  Top w0.2: R2#2.2 51.97,17.97 v1(51.98,17.98)
  In1.Cu w0.2: v1(51.98,17.98) 58.22,17.98 59.08,18.84 62.89,18.84 65.65,21.6 J8#5.1
Board_8-SW_CPU_LOWV: length 11.8
  Top w0.2: 56.98,24.86 56.98,24.28 v1(57.77,23.5) ; v1(62.16,16.54) 62.16,17.6 JP2#7.1
  Bottom w0.2: v1(62.16,16.54) 60.07,18.63 60.07,21.2 v1(57.77,23.5)
Board_8-SW_I2C_LEDS: length 14.3
  Top w0.2: U1#6.5 56.59,23.58 v1(56.69,23.47) ; v1(62.42,14.14) 62.42,15.24 JP3#3.1
  Bottom w0.2: v1(56.69,23.47) 59.62,20.54 59.62,19.34 59.66,19.3 59.66,17.99 62.42,15.23 v1(62.42,14.14)
Board_8-XIN: length 6.2
  Top w0.1: C3#9.1 47.8,23.73 47.8,22.73 48.68,21.85 51.98,21.85 U1#6.20
Board_8-XOUT: length 1.3
  Top w0.1: R1#3.2 51.16,21.5 52.03,21.5

## Copper pours and planes (outline as drawn; the poured copper is in the pictures)
Board_0-+3V3 on Top: 17.38,50.33 18.48,50.33 18.48,48.49 19.41,48.48 19.41,46.8 18.84,46.8 16.88,48.33 16.88,49.42
Board_0-+3V3 on In2.Cu: 25.31,43.31 5.8,43.3 5.81,57.8 25.32,57.8
Board_0-GND on Top: 25.77,42.81 5.25,42.82 5.24,58.3 25.78,58.32
Board_0-GND on Bottom: 25.29,43.28 5.75,43.3 5.77,57.83 25.31,57.8
Board_0-GND on In1.Cu: 25.77,42.81 5.25,42.83 5.24,58.3 25.78,58.32
Board_1-+3V3 on Top: 37.98,50.33 39.09,50.33 39.09,48.49 40,48.48 40.01,46.8 39.44,46.8 37.48,48.33 37.48,49.42
Board_1-+3V3 on In2.Cu: 45.91,43.31 26.4,43.3 26.41,57.8 45.92,57.8
Board_1-GND on Top: 46.37,42.81 25.85,42.82 25.84,58.3 46.38,58.32
Board_1-GND on Bottom: 45.89,43.28 26.35,43.3 26.36,57.83 45.91,57.8
Board_1-GND on In1.Cu: 46.37,42.81 25.85,42.83 25.84,58.3 46.38,58.32
Board_2-+3V3 on Top: 58.58,50.33 59.69,50.33 59.69,48.49 60.6,48.48 60.61,46.8 60.04,46.8 58.09,48.33 58.09,49.42
Board_2-+3V3 on In2.Cu: 66.5,43.31 47,43.3 47.01,57.8 66.53,57.8
Board_2-GND on Top: 66.97,42.81 46.45,42.82 46.44,58.3 66.98,58.32
Board_2-GND on Bottom: 66.5,43.28 46.95,43.3 46.97,57.83 66.51,57.8
Board_2-GND on In1.Cu: 66.97,42.81 46.45,42.83 46.44,58.3 66.98,58.32
Board_3-+3V3 on Top: 17.38,34.77 18.48,34.77 18.48,32.94 19.41,32.92 19.41,31.23 18.84,31.23 16.88,32.77 16.88,33.87
Board_3-+3V3 on In2.Cu: 25.31,27.76 5.8,27.74 5.81,42.23 25.32,42.24
Board_3-GND on Top: 25.77,27.25 5.25,27.26 5.24,42.74 25.78,42.76
Board_3-GND on Bottom: 25.29,27.73 5.75,27.74 5.77,42.27 25.31,42.24
Board_3-GND on In1.Cu: 25.77,27.25 5.25,27.27 5.24,42.74 25.78,42.76
Board_4-+3V3 on Top: 37.98,34.77 39.09,34.77 39.09,32.94 40,32.92 40.01,31.23 39.44,31.23 37.48,32.77 37.48,33.87
Board_4-+3V3 on In2.Cu: 45.91,27.76 26.4,27.74 26.41,42.23 45.92,42.24
Board_4-GND on Top: 46.37,27.25 25.85,27.26 25.84,42.74 46.38,42.76
Board_4-GND on Bottom: 45.89,27.73 26.35,27.74 26.36,42.27 45.91,42.24
Board_4-GND on In1.Cu: 46.37,27.25 25.85,27.27 25.84,42.74 46.38,42.76
